# Altium PCB ultra.PcbDoc (part 5 of 9)
Units mm, origin at the board's own origin, x right, y up, seen from the top; angles counter-clockwise.
Board outline 210 x 210 mm, 2 copper layers (Top Layer, Bottom Layer), stack 1.591 mm thick; 722 components, 1083 nets, 2232 pads, 1540 vias.
Unrouted connection lines stored in the file: 21.
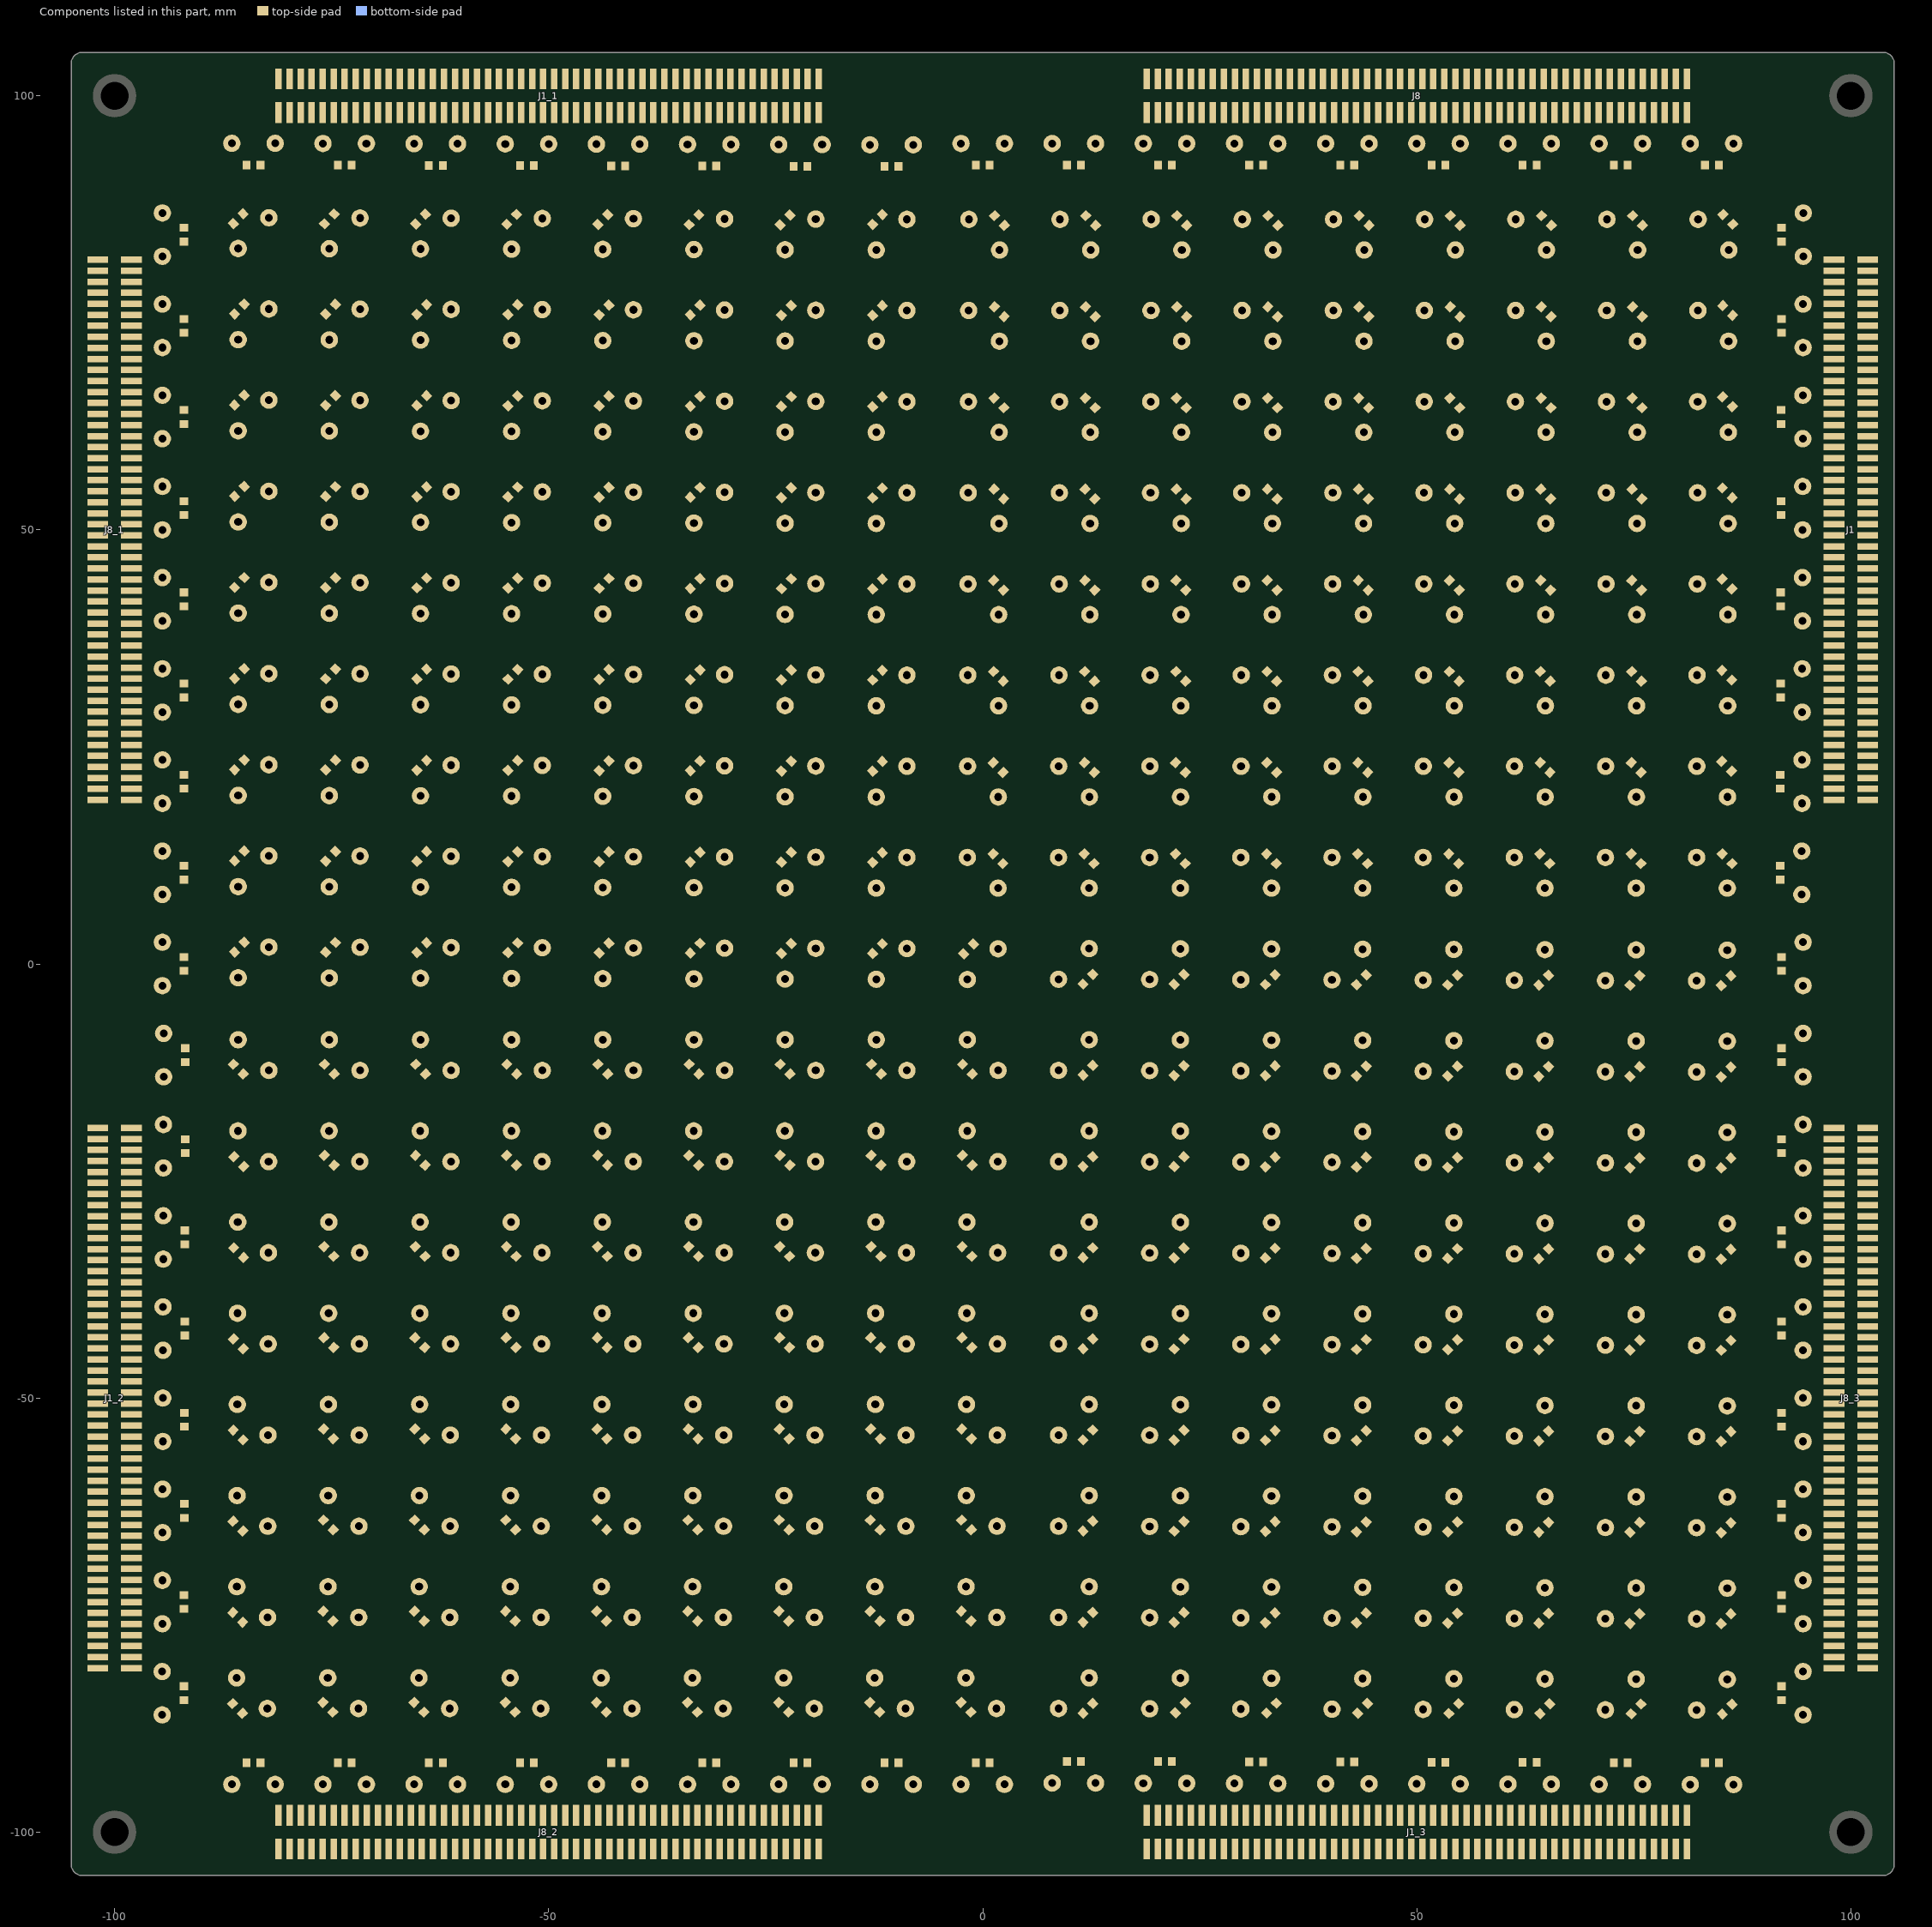
[diagram p5: the components of this part, seen from the top]

## Via types
v1: diameter 0.6, hole 0.3, Top Layer to Bottom Layer, tented both sides, 784 vias
v2: diameter 0.8, hole 0.4, Top Layer to Bottom Layer, tented both sides, 756 vias

## Nets (pads, with @x,y where several pads share a name; then routed paths per layer and width w, separated by ;. In a path a pad name is that pad's centre, name@x,y a point inside that pad or via, vN(x,y) a via of type N, cw(c..) or ccw(c..) an arc to the next point about the centre after c; other vN are vias at no path point) (continued)
pads on no net: J1_1.1 J1_1.2 J1_1.5 J1_1.6 J1_1.7 J1_1.8 J1_1.9 J1_1.10 J1_1.11 J1_1.12 J1_1.13 J1_1.14 J1_1.15 J1_1.16 J1_1.17 J1_1.18 J1_1.19 J1_1.20 J1_1.21 J1_1.22 J1_1.23 J1_1.24 J1_1.25 J1_1.26 J1_1.27 J1_1.28 J1_1.29 J1_1.30 J1_1.31 J1_1.32 J1_1.33 J1_1.34 J1_1.35 J1_1.36 J1_1.37 J1_1.38 J1_1.39 J1_1.40 J1_1.41 J1_1.42 J1_1.43 J1_1.44 J1_1.45 J1_1.46 J1_1.47 J1_1.48 J1_1.49 J1_1.50 J1_1.51 J1_1.52 J1_1.53 J1_1.54 J1_1.55 J1_1.56 J1_1.57 J1_1.58 J1_1.59 J1_1.60 J1_1.61 J1_1.62 J1_1.63 J1_1.64 J1_1.65 J1_1.66 J1_1.67 J1_1.68 J1_1.69 J1_1.70 J1_1.71 J1_1.72 J1_1.73 J1_1.74 J1_1.75 J1_1.76 J1_1.77 J1_1.78 J1_1.79 J1_1.80 J1_1.81 J1_1.82 J1_1.83 J1_1.84 J1_1.85 J1_1.86 J1_1.87 J1_1.88 J1_1.89 J1_1.90 J1_1.91 J1_1.92 J1_1.93 J1_1.94 J1_1.95 J1_1.96 J1_1.99 J1_1.100 J1_2.1 J1_2.2 J1_2.3 J1_2.4 J1_2.5 J1_2.6 J1_2.7 J1_2.8 J1_2.9 J1_2.10 J1_2.11 J1_2.12 J1_2.13 J1_2.14 J1_2.15 J1_2.16 J1_2.17 J1_2.18 J1_2.19 J1_2.20 J1_2.21 J1_2.22 J1_2.23 J1_2.24 J1_2.25 J1_2.26 J1_2.27 J1_2.28 J1_2.29 J1_2.30 J1_2.31 J1_2.32 J1_2.33 J1_2.34 J1_2.35 J1_2.36 J1_2.37 J1_2.38 J1_2.39 J1_2.40 J1_2.41 J1_2.42 J1_2.43 J1_2.44 J1_2.45 J1_2.46 J1_2.47 J1_2.48 J1_2.49 J1_2.50 J1_2.51 J1_2.52 J1_2.53 J1_2.54 J1_2.55 J1_2.56 J1_2.57 J1_2.58 J1_2.59 J1_2.60 J1_2.61 J1_2.62 J1_2.63 J1_2.64 J1_2.65 J1_2.66 J1_2.67 J1_2.68 J1_2.69 J1_2.70 J1_2.71 J1_2.72 J1_2.73 J1_2.74 J1_2.75 J1_2.76 J1_2.77 J1_2.78 J1_2.79 J1_2.80 J1_2.81 J1_2.82 J1_2.83 J1_2.84 J1_2.85 J1_2.86 J1_2.87 J1_2.88 J1_2.89 J1_2.90 J1_2.91 J1_2.92 J1_2.93 J1_2.94 J1_2.95 J1_2.96 J1_2.97 J1_2.98 J1_2.99 J1_2.100 J1_3.1 J1_3.2 J1_3.3 J1_3.4 J1_3.5 J1_3.6 J1_3.7 J1_3.8 J1_3.9 J1_3.10 J1_3.11 J1_3.12 J1_3.13 J1_3.14 J1_3.15 J1_3.16 J1_3.17 J1_3.18 J1_3.19 J1_3.20 J1_3.21 J1_3.22 J1_3.23 J1_3.24 J1_3.25 J1_3.26 J1_3.27 J1_3.28 J1_3.29 J1_3.30 J1_3.31 J1_3.32 J1_3.33 J1_3.34 J1_3.35 J1_3.36 J1_3.37 J1_3.38 J1_3.39 J1_3.40 J1_3.41 J1_3.42 J1_3.43 J1_3.44 J1_3.45 J1_3.46 J1_3.47 J1_3.48 J1_3.49 J1_3.50 J1_3.51 J1_3.52 J1_3.53 J1_3.54 J1_3.55 J1_3.56 J1_3.57 J1_3.58 J1_3.59 J1_3.60 J1_3.61 J1_3.62 J1_3.63 J1_3.64 J1_3.65 J1_3.66 J1_3.67 J1_3.68 J1_3.69 J1_3.70 J1_3.71 J1_3.72 J1_3.73 J1_3.74 J1_3.75 J1_3.76 J1_3.77 J1_3.78 J1_3.79 J1_3.80 J1_3.81 J1_3.82 J1_3.83 J1_3.84 J1_3.85 J1_3.86 J1_3.87 J1_3.88 J1_3.89 J1_3.90 J1_3.91 J1_3.92 J1_3.93 J1_3.94 J1_3.95 J1_3.96 J1_3.97 J1_3.98 J1_3.99 J1_3.100 J8_1.1 J8_1.2 J8_1.3 J8_1.4 J8_1.5 J8_1.6 J8_1.7 J8_1.8 J8_1.9 J8_1.10 J8_1.11 J8_1.12 J8_1.13 J8_1.14 J8_1.15 J8_1.16 J8_1.17 J8_1.18 J8_1.19 J8_1.20 J8_1.21 J8_1.22 J8_1.23 J8_1.24 J8_1.25 J8_1.26 J8_1.27 J8_1.28 J8_1.29 J8_1.30 J8_1.31 J8_1.32 J8_1.33 J8_1.34 J8_1.35 J8_1.36 J8_1.37 J8_1.38 J8_1.39 J8_1.40 J8_1.41 J8_1.42 J8_1.43 J8_1.44 J8_1.45 J8_1.46 J8_1.47 J8_1.48 J8_1.49 J8_1.50 J8_1.51 J8_1.52 J8_1.53 J8_1.54 J8_1.55 J8_1.56 J8_1.57 J8_1.58 J8_1.59 J8_1.60 J8_1.61 J8_1.62 J8_1.63 J8_1.64 J8_1.65 J8_1.66 J8_1.67 J8_1.68 J8_1.69 J8_1.70 J8_1.71 J8_1.72 J8_1.73 J8_1.74 J8_1.75 J8_1.76 J8_1.77 J8_1.78 J8_1.79 J8_1.80 J8_1.81 J8_1.82 J8_1.83 J8_1.84 J8_1.85 J8_1.86 J8_1.87 J8_1.88 J8_1.89 J8_1.90 J8_1.91 J8_1.92 J8_1.93 J8_1.94 J8_1.95 J8_1.96 J8_1.97 J8_1.98 J8_1.99 J8_1.100 J8_2.1 J8_2.2 J8_2.3 J8_2.4 J8_2.5 J8_2.6 J8_2.7 J8_2.8 J8_2.9 J8_2.10 J8_2.11 J8_2.12 J8_2.13 J8_2.14 J8_2.15 J8_2.16 J8_2.17 J8_2.18 J8_2.19 J8_2.20 J8_2.21 J8_2.22 J8_2.23 J8_2.24 J8_2.25 J8_2.26 J8_2.27 J8_2.28 J8_2.29 J8_2.30 J8_2.31 J8_2.32 J8_2.33 J8_2.34 J8_2.35 J8_2.36 J8_2.37 J8_2.38 J8_2.39 J8_2.40 J8_2.41 J8_2.42 J8_2.43 J8_2.44 J8_2.45 J8_2.46 J8_2.47 J8_2.48 J8_2.49 J8_2.50 J8_2.51 J8_2.52 J8_2.53 J8_2.54 J8_2.55 J8_2.56 J8_2.57 J8_2.58 J8_2.59 J8_2.60 J8_2.61 J8_2.62 J8_2.63 J8_2.64 J8_2.65 J8_2.66 J8_2.67 J8_2.68 J8_2.69 J8_2.70 J8_2.71 J8_2.72 J8_2.73 J8_2.74 J8_2.75 J8_2.76 J8_2.77 J8_2.78 J8_2.79 J8_2.80 J8_2.81 J8_2.82 J8_2.83 J8_2.84 J8_2.85 J8_2.86 J8_2.87 J8_2.88 J8_2.89 J8_2.90 J8_2.91 J8_2.92 J8_2.93 J8_2.94 J8_2.95 J8_2.96 J8_2.97 J8_2.98 J8_2.99 J8_2.100 J8_3.1 J8_3.2 J8_3.3 J8_3.4 J8_3.5 J8_3.6 J8_3.7 J8_3.8 J8_3.9 J8_3.10 J8_3.11 J8_3.12 J8_3.13 J8_3.14 J8_3.15 J8_3.16 J8_3.17 J8_3.18 J8_3.19 J8_3.20 J8_3.21 J8_3.22 J8_3.23 J8_3.24 J8_3.25 J8_3.26 J8_3.27 J8_3.28 J8_3.29 J8_3.30 J8_3.31 J8_3.32 J8_3.33 J8_3.34 J8_3.35 J8_3.36 J8_3.37 J8_3.38 J8_3.39 J8_3.40 J8_3.41 J8_3.42 J8_3.43 J8_3.44 J8_3.45 J8_3.46 J8_3.47 J8_3.48 J8_3.49 J8_3.50 J8_3.51 J8_3.52 J8_3.53 J8_3.54 J8_3.55 J8_3.56 J8_3.57 J8_3.58 J8_3.59 J8_3.60 J8_3.61 J8_3.62 J8_3.63 J8_3.64 J8_3.65 J8_3.66 J8_3.67 J8_3.68 J8_3.69 J8_3.70 J8_3.71 J8_3.72 J8_3.73 J8_3.74 J8_3.75 J8_3.76 J8_3.77 J8_3.78 J8_3.79 J8_3.80 J8_3.81 J8_3.82 J8_3.83 J8_3.84 J8_3.85 J8_3.86 J8_3.87 J8_3.88 J8_3.89 J8_3.90 J8_3.91 J8_3.92 J8_3.93 J8_3.94 J8_3.95 J8_3.96 J8_3.97 J8_3.98 J8_3.99 J8_3.100 R1_U_ultra5_1.1 R1_U_ultra5_1.2 R1_U_ultra5_1_1.1 R1_U_ultra5_1_1.2 R1_U_ultra5_1_1_1.1 R1_U_ultra5_1_1_1.2 R1_U_ultra5_1_1_2.1 R1_U_ultra5_1_1_2.2 R1_U_ultra5_1_1_3.1 R1_U_ultra5_1_1_3.2 R1_U_ultra5_1_2.1 R1_U_ultra5_1_2.2 R1_U_ultra5_1_3.1 R1_U_ultra5_1_3.2 R1_U_ultra5_1_4.1 R1_U_ultra5_1_4.2 R1_U_ultra5_2.1 R1_U_ultra5_2.2 R1_U_ultra5_2_1.1 R1_U_ultra5_2_1.2 R1_U_ultra5_2_2.1 R1_U_ultra5_2_2.2 R1_U_ultra5_2_3.1 R1_U_ultra5_2_3.2 R1_U_ultra5_3.1 R1_U_ultra5_3.2 R1_U_ultra5_3_1.1 R1_U_ultra5_3_1.2 R1_U_ultra5_3_2.1 R1_U_ultra5_3_2.2 R1_U_ultra5_3_3.1 R1_U_ultra5_3_3.2 R1_U_ultra5_4.1 R1_U_ultra5_4.2 R1_U_ultra5_4_1.1 R1_U_ultra5_4_1.2 R1_U_ultra5_4_2.1 R1_U_ultra5_4_2.2 R1_U_ultra5_4_3.1 R1_U_ultra5_4_3.2 R1_U_ultra5_5.1 R1_U_ultra5_5.2 R1_U_ultra5_5_1.1 R1_U_ultra5_5_1.2 R1_U_ultra5_5_2.1 R1_U_ultra5_5_2.2 R1_U_ultra5_5_3.1 R1_U_ultra5_5_3.2 R1_U_ultra5_6.1 R1_U_ultra5_6.2 R1_U_ultra5_6_1.1 R1_U_ultra5_6_1.2 R1_U_ultra5_6_2.1 R1_U_ultra5_6_2.2 R1_U_ultra5_6_3.1 R1_U_ultra5_6_3.2 R1_U_ultra5_7.1 R1_U_ultra5_7.2 R1_U_ultra5_7_1.1 R1_U_ultra5_7_1.2 R1_U_ultra5_7_2.1 R1_U_ultra5_7_2.2 R1_U_ultra5_7_3.1 R1_U_ultra5_7_3.2 R1_U_ultra5_8.1 R1_U_ultra5_8.2 R1_U_ultra5_8_1.1 R1_U_ultra5_8_1.2 R1_U_ultra5_8_2.1 R1_U_ultra5_8_2.2 R1_U_ultra5_8_3.1 R1_U_ultra5_8_3.2 R1_U_ultra16_1.1 R1_U_ultra16_1.2 R1_U_ultra16_1_1.1 R1_U_ultra16_1_1.2 R1_U_ultra16_1_1_1.1 R1_U_ultra16_1_1_1.2 R1_U_ultra16_1_1_2.1 R1_U_ultra16_1_1_2.2 R1_U_ultra16_1_1_3.1 R1_U_ultra16_1_1_3.2 R1_U_ultra16_1_2.1 R1_U_ultra16_1_2.2 R1_U_ultra16_1_3.1 R1_U_ultra16_1_3.2 R1_U_ultra16_1_4.1 R1_U_ultra16_1_4.2 R1_U_ultra16_2.1 R1_U_ultra16_2.2 R1_U_ultra16_2_1.1 R1_U_ultra16_2_1.2 R1_U_ultra16_2_2.1 R1_U_ultra16_2_2.2 R1_U_ultra16_2_3.1 R1_U_ultra16_2_3.2 R1_U_ultra16_3.1 R1_U_ultra16_3.2 R1_U_ultra16_3_1.1 R1_U_ultra16_3_1.2 R1_U_ultra16_3_2.1 R1_U_ultra16_3_2.2 R1_U_ultra16_3_3.1 R1_U_ultra16_3_3.2 R1_U_ultra16_4.1 R1_U_ultra16_4.2 R1_U_ultra16_4_1.1 R1_U_ultra16_4_1.2 R1_U_ultra16_4_2.1 R1_U_ultra16_4_2.2 R1_U_ultra16_4_3.1 R1_U_ultra16_4_3.2 R1_U_ultra16_5.1 R1_U_ultra16_5.2 R1_U_ultra16_5_1.1 R1_U_ultra16_5_1.2 R1_U_ultra16_5_2.1 R1_U_ultra16_5_2.2 R1_U_ultra16_5_3.1 R1_U_ultra16_5_3.2 R1_U_ultra16_6.1 R1_U_ultra16_6.2 R1_U_ultra16_6_1.1 R1_U_ultra16_6_1.2 R1_U_ultra16_6_2.1 R1_U_ultra16_6_2.2 R1_U_ultra16_6_3.1 R1_U_ultra16_6_3.2 R1_U_ultra16_7.1 R1_U_ultra16_7.2 R1_U_ultra16_7_1.1 R1_U_ultra16_7_1.2 R1_U_ultra16_7_2.1 R1_U_ultra16_7_2.2 R1_U_ultra16_7_3.1 R1_U_ultra16_7_3.2 R1_U_ultra349_1.1 R1_U_ultra349_1.2 R1_U_ultra349_1_1.1 R1_U_ultra349_1_1.2 R1_U_ultra349_1_2.1 R1_U_ultra349_1_2.2 R1_U_ultra349_1_3.1 R1_U_ultra349_1_3.2 R1_U_ultra349_2.1 R1_U_ultra349_2.2 R1_U_ultra349_2_1.1 R1_U_ultra349_2_1.2 R1_U_ultra349_2_2.1 R1_U_ultra349_2_2.2 R1_U_ultra349_2_3.1 R1_U_ultra349_2_3.2 R1_U_ultra349_3.1 R1_U_ultra349_3.2 R1_U_ultra349_3_1.1 R1_U_ultra349_3_1.2 R1_U_ultra349_3_2.1 R1_U_ultra349_3_2.2 R1_U_ultra349_3_3.1 R1_U_ultra349_3_3.2 R1_U_ultra349_4.1 R1_U_ultra349_4.2 R1_U_ultra349_4_1.1 R1_U_ultra349_4_1.2 R1_U_ultra349_4_2.1 R1_U_ultra349_4_2.2 R1_U_ultra349_4_3.1 R1_U_ultra349_4_3.2 R1_U_ultra349_5.1 R1_U_ultra349_5.2 R1_U_ultra349_5_1.1 R1_U_ultra349_5_1.2 R1_U_ultra349_5_2.1 R1_U_ultra349_5_2.2 R1_U_ultra349_5_3.1 R1_U_ultra349_5_3.2 R1_U_ultra349_6.1 R1_U_ultra349_6.2 R1_U_ultra349_6_1.1 R1_U_ultra349_6_1.2 R1_U_ultra349_6_2.1 R1_U_ultra349_6_2.2 R1_U_ultra349_6_3.1 R1_U_ultra349_6_3.2 R1_U_ultra349_7.2 R1_U_ultra349_7_1.1 R1_U_ultra349_7_1.2 R1_U_ultra349_7_2.1 R1_U_ultra349_7_2.2 R1_U_ultra349_7_3.1 R1_U_ultra349_7_3.2 R1_U_ultra350_1.1 R1_U_ultra350_1.2 R1_U_ultra350_1_1.1 R1_U_ultra350_1_1.2 R1_U_ultra350_1_1_1.1 R1_U_ultra350_1_1_1.2 R1_U_ultra350_1_1_2.1 R1_U_ultra350_1_1_2.2 R1_U_ultra350_1_1_3.1 R1_U_ultra350_1_1_3.2 R1_U_ultra350_1_2.1 R1_U_ultra350_1_2.2 R1_U_ultra350_1_2_1.1 R1_U_ultra350_1_2_1.2 R1_U_ultra350_1_2_2.1 R1_U_ultra350_1_2_2.2 R1_U_ultra350_1_2_3.1 R1_U_ultra350_1_2_3.2 R1_U_ultra350_1_3.1 R1_U_ultra350_1_3.2 R1_U_ultra350_1_3_1.1 R1_U_ultra350_1_3_1.2 R1_U_ultra350_1_3_2.1 R1_U_ultra350_1_3_2.2 R1_U_ultra350_1_3_3.1 R1_U_ultra350_1_3_3.2 R1_U_ultra350_1_4.1 R1_U_ultra350_1_4.2 R1_U_ultra350_1_4_1.1 R1_U_ultra350_1_4_1.2 R1_U_ultra350_1_4_2.1 R1_U_ultra350_1_4_2.2 R1_U_ultra350_1_4_3.1 R1_U_ultra350_1_4_3.2 R1_U_ultra350_1_5.1 R1_U_ultra350_1_5.2 R1_U_ultra350_1_5_1.1 R1_U_ultra350_1_5_1.2 R1_U_ultra350_1_5_2.1 R1_U_ultra350_1_5_2.2 R1_U_ultra350_1_5_3.1 R1_U_ultra350_1_5_3.2 R1_U_ultra350_1_6.1 R1_U_ultra350_1_6.2 R1_U_ultra350_1_6_1.1 R1_U_ultra350_1_6_1.2 R1_U_ultra350_1_6_2.1 R1_U_ultra350_1_6_2.2 R1_U_ultra350_1_6_3.1 R1_U_ultra350_1_6_3.2 R1_U_ultra350_1_7.1 R1_U_ultra350_1_7.2 R1_U_ultra350_1_7_1.1 R1_U_ultra350_1_7_1.2 R1_U_ultra350_1_7_2.1 R1_U_ultra350_1_7_2.2 R1_U_ultra350_1_7_3.1 R1_U_ultra350_1_7_3.2 R1_U_ultra350_1_8.1 R1_U_ultra350_1_8.2 R1_U_ultra350_1_8_1.1 R1_U_ultra350_1_8_1.2 R1_U_ultra350_1_8_2.1 R1_U_ultra350_1_8_2.2 R1_U_ultra350_1_8_3.1 R1_U_ultra350_1_8_3.2 R1_U_ultra350_1_9.1 R1_U_ultra350_1_9.2 R1_U_ultra350_1_9_1.1 R1_U_ultra350_1_9_1.2 R1_U_ultra350_1_9_2.1 R1_U_ultra350_1_9_2.2 R1_U_ultra350_1_9_3.1 R1_U_ultra350_1_9_3.2 R1_U_ultra350_1_10.1 R1_U_ultra350_1_10.2 R1_U_ultra350_1_11.1 R1_U_ultra350_1_11.2 R1_U_ultra350_1_12.1 R1_U_ultra350_1_12.2 R1_U_ultra350_2.1 R1_U_ultra350_2.2 R1_U_ultra350_2_1.1 R1_U_ultra350_2_1.2 R1_U_ultra350_2_1_1.1 R1_U_ultra350_2_1_1.2 R1_U_ultra350_2_1_2.1 R1_U_ultra350_2_1_2.2 R1_U_ultra350_2_1_3.1 R1_U_ultra350_2_1_3.2 R1_U_ultra350_2_2.1 R1_U_ultra350_2_2.2 R1_U_ultra350_2_2_1.1 R1_U_ultra350_2_2_1.2 R1_U_ultra350_2_2_2.1 R1_U_ultra350_2_2_2.2 R1_U_ultra350_2_2_3.1 R1_U_ultra350_2_2_3.2 R1_U_ultra350_2_3.1 R1_U_ultra350_2_3.2 R1_U_ultra350_2_3_1.1 R1_U_ultra350_2_3_1.2 R1_U_ultra350_2_3_2.1 R1_U_ultra350_2_3_2.2 R1_U_ultra350_2_3_3.1 R1_U_ultra350_2_3_3.2 R1_U_ultra350_2_4.1 R1_U_ultra350_2_4.2 R1_U_ultra350_2_4_1.1 R1_U_ultra350_2_4_1.2 R1_U_ultra350_2_4_2.1 R1_U_ultra350_2_4_2.2 R1_U_ultra350_2_4_3.1 R1_U_ultra350_2_4_3.2 R1_U_ultra350_2_5.1 R1_U_ultra350_2_5.2 R1_U_ultra350_2_5_1.1 R1_U_ultra350_2_5_1.2 R1_U_ultra350_2_5_2.1 R1_U_ultra350_2_5_2.2 R1_U_ultra350_2_5_3.1 R1_U_ultra350_2_5_3.2 R1_U_ultra350_2_6.1 R1_U_ultra350_2_6.2 R1_U_ultra350_2_6_1.1 R1_U_ultra350_2_6_1.2 R1_U_ultra350_2_6_2.1 R1_U_ultra350_2_6_2.2 R1_U_ultra350_2_6_3.1 R1_U_ultra350_2_6_3.2 R1_U_ultra350_2_7.1 R1_U_ultra350_2_7.2 R1_U_ultra350_2_7_1.1 R1_U_ultra350_2_7_1.2 R1_U_ultra350_2_7_2.1 R1_U_ultra350_2_7_2.2 R1_U_ultra350_2_7_3.1 R1_U_ultra350_2_7_3.2 R1_U_ultra350_2_8.1 R1_U_ultra350_2_8.2 R1_U_ultra350_2_9.1 R1_U_ultra350_2_9.2 R1_U_ultra350_2_10.1 R1_U_ultra350_2_10.2 R1_U_ultra350_3.1 R1_U_ultra350_3.2 R1_U_ultra350_3_1.1 R1_U_ultra350_3_1.2 R1_U_ultra350_3_1_1.1 R1_U_ultra350_3_1_1.2 R1_U_ultra350_3_1_2.1 R1_U_ultra350_3_1_2.2 R1_U_ultra350_3_1_3.1 R1_U_ultra350_3_1_3.2 R1_U_ultra350_3_2.1 R1_U_ultra350_3_2.2 R1_U_ultra350_3_2_1.1 R1_U_ultra350_3_2_1.2 R1_U_ultra350_3_2_2.1 R1_U_ultra350_3_2_2.2 R1_U_ultra350_3_2_3.1 R1_U_ultra350_3_2_3.2 R1_U_ultra350_3_3.1 R1_U_ultra350_3_3.2 R1_U_ultra350_3_3_1.1 R1_U_ultra350_3_3_1.2 R1_U_ultra350_3_3_2.1 R1_U_ultra350_3_3_2.2 R1_U_ultra350_3_3_3.1 R1_U_ultra350_3_3_3.2 R1_U_ultra350_3_4.1 R1_U_ultra350_3_4.2 R1_U_ultra350_3_4_1.1 R1_U_ultra350_3_4_1.2 R1_U_ultra350_3_4_2.1 R1_U_ultra350_3_4_2.2 R1_U_ultra350_3_4_3.1 R1_U_ultra350_3_4_3.2 R1_U_ultra350_3_5.1 R1_U_ultra350_3_5.2 R1_U_ultra350_3_5_1.1 R1_U_ultra350_3_5_1.2 R1_U_ultra350_3_5_2.1 R1_U_ultra350_3_5_2.2 R1_U_ultra350_3_5_3.1 R1_U_ultra350_3_5_3.2 R1_U_ultra350_3_6.1 R1_U_ultra350_3_6.2 R1_U_ultra350_3_6_1.1 R1_U_ultra350_3_6_1.2 R1_U_ultra350_3_6_2.1 R1_U_ultra350_3_6_2.2 R1_U_ultra350_3_6_3.1 R1_U_ultra350_3_6_3.2 R1_U_ultra350_3_7.1 R1_U_ultra350_3_7.2 R1_U_ultra350_3_7_1.1 R1_U_ultra350_3_7_1.2 R1_U_ultra350_3_7_2.1 R1_U_ultra350_3_7_2.2 R1_U_ultra350_3_7_3.1 R1_U_ultra350_3_7_3.2 R1_U_ultra350_3_8.1 R1_U_ultra350_3_8.2 R1_U_ultra350_3_9.1 R1_U_ultra350_3_9.2 R1_U_ultra350_3_10.1 R1_U_ultra350_3_10.2 R1_U_ultra350_4.1 R1_U_ultra350_4.2 R1_U_ultra350_4_1.1 R1_U_ultra350_4_1.2 R1_U_ultra350_4_1_1.1 R1_U_ultra350_4_1_1.2 R1_U_ultra350_4_1_2.1 R1_U_ultra350_4_1_2.2 R1_U_ultra350_4_1_3.1 R1_U_ultra350_4_1_3.2 R1_U_ultra350_4_2.1 R1_U_ultra350_4_2.2 R1_U_ultra350_4_2_1.1 R1_U_ultra350_4_2_1.2 R1_U_ultra350_4_2_2.1 R1_U_ultra350_4_2_2.2 R1_U_ultra350_4_2_3.1 R1_U_ultra350_4_2_3.2 R1_U_ultra350_4_3.1 R1_U_ultra350_4_3.2 R1_U_ultra350_4_3_1.1 R1_U_ultra350_4_3_1.2 R1_U_ultra350_4_3_2.1 R1_U_ultra350_4_3_2.2 R1_U_ultra350_4_3_3.1 R1_U_ultra350_4_3_3.2 R1_U_ultra350_4_4.1 R1_U_ultra350_4_4.2 R1_U_ultra350_4_4_1.1 R1_U_ultra350_4_4_1.2 R1_U_ultra350_4_4_2.1 R1_U_ultra350_4_4_2.2 R1_U_ultra350_4_4_3.1 R1_U_ultra350_4_4_3.2 R1_U_ultra350_4_5.1 R1_U_ultra350_4_5.2 R1_U_ultra350_4_5_1.1 R1_U_ultra350_4_5_1.2 R1_U_ultra350_4_5_2.1 R1_U_ultra350_4_5_2.2 R1_U_ultra350_4_5_3.1 R1_U_ultra350_4_5_3.2 R1_U_ultra350_4_6.1 R1_U_ultra350_4_6.2 R1_U_ultra350_4_6_1.1 R1_U_ultra350_4_6_1.2 R1_U_ultra350_4_6_2.1 R1_U_ultra350_4_6_2.2 R1_U_ultra350_4_6_3.1 R1_U_ultra350_4_6_3.2 R1_U_ultra350_4_7.1 R1_U_ultra350_4_7.2 R1_U_ultra350_4_7_1.1 R1_U_ultra350_4_7_1.2 R1_U_ultra350_4_7_2.1 R1_U_ultra350_4_7_2.2 R1_U_ultra350_4_7_3.1 R1_U_ultra350_4_7_3.2 R1_U_ultra350_4_8.1 R1_U_ultra350_4_8.2 R1_U_ultra350_4_9.1 R1_U_ultra350_4_9.2 R1_U_ultra350_4_10.1 R1_U_ultra350_4_10.2 R1_U_ultra350_5.1 R1_U_ultra350_5.2 R1_U_ultra350_5_1.1 R1_U_ultra350_5_1.2 R1_U_ultra350_5_1_1.1 R1_U_ultra350_5_1_1.2 R1_U_ultra350_5_1_2.1 R1_U_ultra350_5_1_2.2 R1_U_ultra350_5_1_3.1 R1_U_ultra350_5_1_3.2 R1_U_ultra350_5_2.1 R1_U_ultra350_5_2.2 R1_U_ultra350_5_2_1.1 R1_U_ultra350_5_2_1.2 R1_U_ultra350_5_2_2.1 R1_U_ultra350_5_2_2.2 R1_U_ultra350_5_2_3.1 R1_U_ultra350_5_2_3.2 R1_U_ultra350_5_3.1 R1_U_ultra350_5_3.2 R1_U_ultra350_5_3_1.1 R1_U_ultra350_5_3_1.2 R1_U_ultra350_5_3_2.1 R1_U_ultra350_5_3_2.2 R1_U_ultra350_5_3_3.1 R1_U_ultra350_5_3_3.2 R1_U_ultra350_5_4.1 R1_U_ultra350_5_4.2 R1_U_ultra350_5_4_1.1 R1_U_ultra350_5_4_1.2 R1_U_ultra350_5_4_2.1 R1_U_ultra350_5_4_2.2 R1_U_ultra350_5_4_3.1 R1_U_ultra350_5_4_3.2 R1_U_ultra350_5_5.1 R1_U_ultra350_5_5.2 R1_U_ultra350_5_5_1.1 R1_U_ultra350_5_5_1.2 R1_U_ultra350_5_5_2.1 R1_U_ultra350_5_5_2.2 R1_U_ultra350_5_5_3.1 R1_U_ultra350_5_5_3.2 R1_U_ultra350_5_6.1 R1_U_ultra350_5_6.2 R1_U_ultra350_5_6_1.1 R1_U_ultra350_5_6_1.2 R1_U_ultra350_5_6_2.1 R1_U_ultra350_5_6_2.2 R1_U_ultra350_5_6_3.1 R1_U_ultra350_5_6_3.2 R1_U_ultra350_5_7.1 R1_U_ultra350_5_7.2 R1_U_ultra350_5_7_1.1 R1_U_ultra350_5_7_1.2 R1_U_ultra350_5_7_2.1 R1_U_ultra350_5_7_2.2 R1_U_ultra350_5_7_3.1 R1_U_ultra350_5_7_3.2 R1_U_ultra350_5_8.1 R1_U_ultra350_5_8.2 R1_U_ultra350_5_9.1 R1_U_ultra350_5_9.2 R1_U_ultra350_5_10.1 R1_U_ultra350_5_10.2 R1_U_ultra350_6.1 R1_U_ultra350_6.2 R1_U_ultra350_6_1.1 R1_U_ultra350_6_1.2 R1_U_ultra350_6_1_1.1 R1_U_ultra350_6_1_1.2 R1_U_ultra350_6_1_2.1 R1_U_ultra350_6_1_2.2 R1_U_ultra350_6_1_3.1 R1_U_ultra350_6_1_3.2 R1_U_ultra350_6_2.1 R1_U_ultra350_6_2.2 R1_U_ultra350_6_2_1.1 R1_U_ultra350_6_2_1.2 R1_U_ultra350_6_2_2.1 R1_U_ultra350_6_2_2.2 R1_U_ultra350_6_2_3.1 R1_U_ultra350_6_2_3.2 R1_U_ultra350_6_3.1 R1_U_ultra350_6_3.2 R1_U_ultra350_6_3_1.1 R1_U_ultra350_6_3_1.2 R1_U_ultra350_6_3_2.1 R1_U_ultra350_6_3_2.2 R1_U_ultra350_6_3_3.1 R1_U_ultra350_6_3_3.2 R1_U_ultra350_6_4.1 R1_U_ultra350_6_4.2 R1_U_ultra350_6_4_1.1 R1_U_ultra350_6_4_1.2 R1_U_ultra350_6_4_2.1 R1_U_ultra350_6_4_2.2 R1_U_ultra350_6_4_3.1 R1_U_ultra350_6_4_3.2 R1_U_ultra350_6_5.1 R1_U_ultra350_6_5.2 R1_U_ultra350_6_5_1.1 R1_U_ultra350_6_5_1.2 R1_U_ultra350_6_5_2.1 R1_U_ultra350_6_5_2.2 R1_U_ultra350_6_5_3.1 R1_U_ultra350_6_5_3.2 R1_U_ultra350_6_6.1 R1_U_ultra350_6_6.2 R1_U_ultra350_6_6_1.1 R1_U_ultra350_6_6_1.2 R1_U_ultra350_6_6_2.1 R1_U_ultra350_6_6_2.2 R1_U_ultra350_6_6_3.1 R1_U_ultra350_6_6_3.2 R1_U_ultra350_6_7.1 R1_U_ultra350_6_7.2 R1_U_ultra350_6_7_1.1 R1_U_ultra350_6_7_1.2 R1_U_ultra350_6_7_2.1 R1_U_ultra350_6_7_2.2 R1_U_ultra350_6_7_3.1 R1_U_ultra350_6_7_3.2 R1_U_ultra350_6_8.1 R1_U_ultra350_6_8.2 R1_U_ultra350_6_9.1 R1_U_ultra350_6_9.2 R1_U_ultra350_6_10.1 R1_U_ultra350_6_10.2 R1_U_ultra350_7.1 R1_U_ultra350_7.2 R1_U_ultra350_7_1.1 R1_U_ultra350_7_1.2 R1_U_ultra350_7_1_1.1 R1_U_ultra350_7_1_1.2 R1_U_ultra350_7_1_2.1 R1_U_ultra350_7_1_2.2 R1_U_ultra350_7_1_3.1 R1_U_ultra350_7_1_3.2 R1_U_ultra350_7_2.1 R1_U_ultra350_7_2.2 R1_U_ultra350_7_2_1.1 R1_U_ultra350_7_2_1.2 R1_U_ultra350_7_2_2.1 R1_U_ultra350_7_2_2.2 R1_U_ultra350_7_2_3.1 R1_U_ultra350_7_2_3.2 R1_U_ultra350_7_3.1 R1_U_ultra350_7_3.2 R1_U_ultra350_7_3_1.1 R1_U_ultra350_7_3_1.2 R1_U_ultra350_7_3_2.1 R1_U_ultra350_7_3_2.2 R1_U_ultra350_7_3_3.1 R1_U_ultra350_7_3_3.2 R1_U_ultra350_7_4.1 R1_U_ultra350_7_4.2 R1_U_ultra350_7_4_1.1 R1_U_ultra350_7_4_1.2 R1_U_ultra350_7_4_2.1 R1_U_ultra350_7_4_2.2 R1_U_ultra350_7_4_3.1 R1_U_ultra350_7_4_3.2 R1_U_ultra350_7_5.1 R1_U_ultra350_7_5.2 R1_U_ultra350_7_5_1.1 R1_U_ultra350_7_5_1.2 R1_U_ultra350_7_5_2.1 R1_U_ultra350_7_5_2.2 R1_U_ultra350_7_5_3.1 R1_U_ultra350_7_5_3.2 R1_U_ultra350_7_6.1 R1_U_ultra350_7_6.2 R1_U_ultra350_7_6_1.1 R1_U_ultra350_7_6_1.2 R1_U_ultra350_7_6_2.1 R1_U_ultra350_7_6_2.2 R1_U_ultra350_7_6_3.1 R1_U_ultra350_7_6_3.2 R1_U_ultra350_7_7.1 R1_U_ultra350_7_7.2 R1_U_ultra350_7_7_1.1 R1_U_ultra350_7_7_1.2 R1_U_ultra350_7_7_2.1 R1_U_ultra350_7_7_2.2 R1_U_ultra350_7_7_3.1 R1_U_ultra350_7_7_3.2 R1_U_ultra350_7_8.1 R1_U_ultra350_7_8.2 R1_U_ultra350_7_8_1.1 R1_U_ultra350_7_8_1.2 R1_U_ultra350_7_9.1 R1_U_ultra350_7_9.2 R1_U_ultra350_7_10.1 R1_U_ultra350_7_10.2 R1_U_ultra350_8.1 R1_U_ultra350_8.2 R1_U_ultra350_8_1.1 R1_U_ultra350_8_1.2 R1_U_ultra350_8_2.1 R1_U_ultra350_8_2.2 R1_U_ultra350_8_3.1 R1_U_ultra350_8_3.2 R1_U_ultra350_9.1 R1_U_ultra350_9.2 R1_U_ultra350_9_1.1 R1_U_ultra350_9_1.2 R1_U_ultra350_9_2.1 R1_U_ultra350_9_2.2 R1_U_ultra350_9_3.1 R1_U_ultra350_9_3.2 R1_U_ultra350_10.1 R1_U_ultra350_10.2 R1_U_ultra350_10_1.1 R1_U_ultra350_10_1.2 R1_U_ultra350_10_2.1 R1_U_ultra350_10_2.2 R1_U_ultra350_10_3.1 R1_U_ultra350_10_3.2 R1_U_ultra350_11.1 R1_U_ultra350_11.2 R1_U_ultra350_11_1.1 R1_U_ultra350_11_1.2 R1_U_ultra350_11_2.1 R1_U_ultra350_11_2.2 R1_U_ultra350_11_3.1 R1_U_ultra350_11_3.2 R1_U_ultra350_12.1 R1_U_ultra350_12.2 R1_U_ultra350_12_1.1 R1_U_ultra350_12_1.2 R1_U_ultra350_12_2.1 R1_U_ultra350_12_2.2 R1_U_ultra350_12_3.1 R1_U_ultra350_12_3.2 R1_U_ultra350_13.1 R1_U_ultra350_13.2 R1_U_ultra350_13_1.1 R1_U_ultra350_13_1.2 R1_U_ultra350_13_2.1 R1_U_ultra350_13_2.2 R1_U_ultra350_13_3.1 R1_U_ultra350_13_3.2 R1_U_ultra350_14.1 R1_U_ultra350_14.2 R1_U_ultra350_14_1.1 R1_U_ultra350_14_1.2 R1_U_ultra350_14_2.1 R1_U_ultra350_14_2.2 R1_U_ultra350_14_3.1 R1_U_ultra350_14_3.2 US1_U_ultra5_1.1 US1_U_ultra5_1.2 US1_U_ultra5_1_1.1 US1_U_ultra5_1_1.2 US1_U_ultra5_1_1_1.1 US1_U_ultra5_1_1_1.2 US1_U_ultra5_1_1_2.1 US1_U_ultra5_1_1_2.2 US1_U_ultra5_1_1_3.1 US1_U_ultra5_1_1_3.2 US1_U_ultra5_1_2.1 US1_U_ultra5_1_2.2 US1_U_ultra5_1_3.1 US1_U_ultra5_1_3.2 US1_U_ultra5_1_4.1 US1_U_ultra5_1_4.2 US1_U_ultra5_2.1 US1_U_ultra5_2.2 US1_U_ultra5_2_1.1 US1_U_ultra5_2_1.2 US1_U_ultra5_2_2.1 US1_U_ultra5_2_2.2 US1_U_ultra5_2_3.1 US1_U_ultra5_2_3.2 US1_U_ultra5_3.1 US1_U_ultra5_3.2 US1_U_ultra5_3_1.1 US1_U_ultra5_3_1.2 US1_U_ultra5_3_2.1 US1_U_ultra5_3_2.2 US1_U_ultra5_3_3.1 US1_U_ultra5_3_3.2 US1_U_ultra5_4.1 US1_U_ultra5_4.2 US1_U_ultra5_4_1.1 